# Altium PCB FMC_LOOPBACK_REVA.PcbDoc (continued)
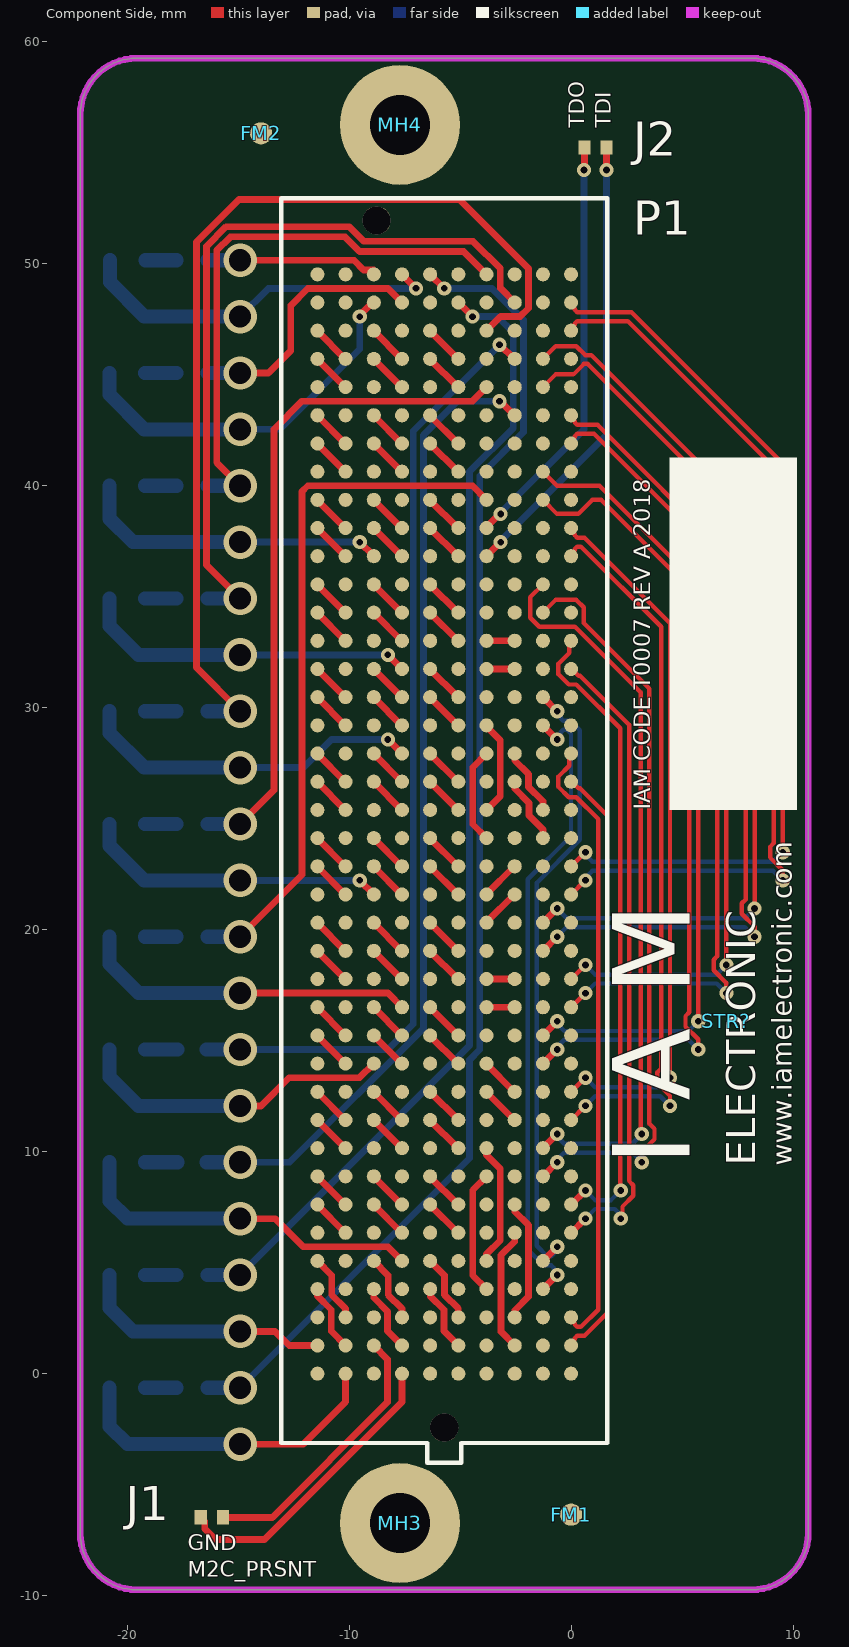
[diagram p0: Component Side view]
## Nets (pads, with @x,y where several pads share a name; then routed paths per layer and width w, separated by ;. In a path a pad name is that pad's centre, name@x,y a point inside that pad or via, vN(x,y) a via of type N, cw(c..) or ccw(c..) an arc to the next point about the centre after c; other vN are vias at no path point) (continued)
DP5_P: P1.A18 P1.A38 | length 41.3
  Component Side w0.2: P1.A18 0.005,21.59 0.64,22.225 v1(0.645,22.225) ; P1.A38 0,47.108 0.155,47.263 0.155,47.308 0.273,47.425 2.555,47.425 9.135,40.845 9.135,23.905 8.963,23.732 8.963,23.258 9.535,22.686 v1(9.535,22.225)
  Bottom Layer w0.2: v1(0.645,22.225) 0.645,22.343 0.963,22.66 9.1,22.66 v1(9.535,22.225)
DP6_N: P1.B17 P1.B37 | length 40.7
  Component Side w0.2: P1.B17 P1.B17@-1.265,20.32 ; P1.B37 -0.7,46.29 0.236,46.29 0.633,45.893 0.91,45.893 8.265,38.538 v1(8.265,20.955) ; v1@-0.63,20.955 v1(-0.625,20.955)
  Component Side w0.305: P1.B17@-1.265,20.32 v1@-0.63,20.955
  Bottom Layer w0.2: v1(-0.625,20.955) -0.19,20.52 7.83,20.52 v1(8.265,20.955)
DP6_P: P1.B16 P1.B36 | length 41.7
  Component Side w0.2: P1.B16 P1.B16@-1.265,19.05 ; P1.B36 -0.7,45.02 0.106,45.02 0.579,45.493 0.745,45.493 7.865,38.373 7.865,21.365 7.693,21.192 7.693,20.718 8.265,20.146 v1(8.265,19.685) ; v1@-0.63,19.685 v1(-0.625,19.685)
  Component Side w0.305: P1.B16@-1.265,19.05 v1@-0.63,19.685
  Bottom Layer w0.2: v1(-0.625,19.685) -0.19,20.12 7.83,20.12 v1(8.265,19.685)
DP7_N: P1.B13 P1.B33 | length 36.5
  Component Side w0.2: P1.B13 P1.B13@-1.265,15.24 ; P1.B33 -0.635,40.005 1.28,40.005 5.725,35.56 v1(5.725,15.875) ; v1@-0.63,15.875 v1(-0.625,15.875)
  Component Side w0.305: P1.B13@-1.265,15.24 v1@-0.63,15.875
  Bottom Layer w0.2: v1(-0.625,15.875) -0.625,15.758 -0.307,15.44 5.29,15.44 v1(5.725,15.875)
DP7_P: P1.B12 P1.B32 | length 37.6
  Component Side w0.2: P1.B12 P1.B12@-1.265,13.97 ; P1.B32 -0.635,38.735 0.328,38.735 0.963,39.37 1.349,39.37 5.325,35.394 5.325,16.285 5.153,16.112 5.153,15.638 5.725,15.066 v1(5.725,14.605) ; v1@-0.63,14.605 v1(-0.625,14.605)
  Component Side w0.305: P1.B12@-1.265,13.97 v1@-0.63,14.605
  Bottom Layer w0.2: v1(-0.625,14.605) -0.625,14.723 -0.307,15.04 5.29,15.04 v1(5.725,14.605)
DP8_N: P1.B9 P1.B29 | length 33.2
  Component Side w0.2: P1.B9 P1.B9@-1.265,10.16 ; P1.B29 -1.84,34.99 -1.84,34.054 -1.441,33.655 0.171,33.655 3.13,30.696 v1@3.13,10.795 ; v1@-0.63,10.795 v1(-0.625,10.795)
  Component Side w0.305: P1.B9@-1.265,10.16 v1@-0.63,10.795
  Bottom Layer w0.2: v1(-0.625,10.795) -0.625,10.678 -0.307,10.36 2.75,10.36 v1(3.185,10.795)
DP8_P: P1.B8 P1.B28 | length 33.9
  Component Side w0.2: P1.B8 P1.B8@-1.265,8.89 ; P1.B28 -0.7,34.86 0.236,34.86 0.57,34.526 0.57,33.822 3.53,30.861 3.53,11.259 3.757,11.032 3.757,10.558 3.185,9.986 v1(3.185,9.525) ; v1@-0.63,9.525 v1(-0.625,9.525)
  Component Side w0.305: P1.B8@-1.265,8.89 v1@-0.63,9.525
  Bottom Layer w0.2: v1(-0.625,9.525) -0.625,9.643 -0.307,9.96 2.75,9.96 v1(3.185,9.525)
DP9_N: P1.B5 P1.B25 | length 28.7
  Component Side w0.2: P1.B5 P1.B5@-1.265,5.08 ; P1.B25 P1.B25@-1.265,30.48 ; v1@-0.63,5.715 v1(-0.625,5.715) ; v1@-0.63,29.845 v1(-0.625,29.845)
  Component Side w0.305: P1.B5@-1.265,5.08 v1@-0.63,5.715 ; P1.B25@-1.265,30.48 v1@-0.63,29.845
  Bottom Layer w0.2: v1(-0.625,5.715) -0.625,5.596 -0.784,5.437 -0.784,5.397 -0.901,5.28 -1.067,5.28 -1.55,5.763 -1.55,22.11 0.395,24.055 0.395,28.998 -0.018,29.41 -0.349,29.41 -0.466,29.527 -0.466,29.567 -0.625,29.726 v1(-0.625,29.845)
DP9_P: P1.B4 P1.B24 | length 28.7
  Component Side w0.2: P1.B4 P1.B4@-1.265,3.81 ; P1.B24 P1.B24@-1.265,29.21 ; v1@-0.63,4.445 v1(-0.625,4.445) ; v1@-0.63,28.575 v1(-0.625,28.575)
  Component Side w0.305: P1.B4@-1.265,3.81 v1@-0.63,4.445 ; P1.B24@-1.265,29.21 v1@-0.63,28.575
  Bottom Layer w0.2: v1(-0.625,4.445) -0.625,4.564 -0.784,4.723 -0.784,4.763 -0.901,4.88 -1.232,4.88 -1.95,5.597 -1.95,22.275 -0.005,24.22 -0.005,28.832 -0.183,29.01 -0.349,29.01 -0.466,28.893 -0.466,28.853 -0.625,28.694 v1(-0.625,28.575)
GND_1: LED1.1 P1.G40 | length 16.9
  Component Side w0.305: P1.G40 v1(-6.985,48.895)
  Bottom Layer w0.305: v2(-14.912,47.625) -13.642,48.895 v1(-6.985,48.895)
  Bottom Layer w0.635: LED1.1 -20.783,49.177 -19.23,47.625 v2(-14.912,47.625)
GND_2: LED2.1 P1.H39 | length 16.8
  Component Side w0.305: v1(-9.525,47.625) -9.525,47.679 -8.944,48.26 P1.H39
  Bottom Layer w0.305: v2(-14.912,42.545) -13.134,42.545 -9.525,46.155 v1(-9.525,47.625)
  Bottom Layer w0.635: LED2.1 -20.792,44.107 -19.23,42.545 v2(-14.912,42.545)
GND_3: LED3.1 P1.H30 | length 14.1
  Component Side w0.305: v1(-9.525,37.465) P1.H30
  Bottom Layer w0.305: v2(-14.912,37.465) v1(-9.525,37.465)
  Bottom Layer w0.635: LED3.1 -20.792,38.519 -19.738,37.465 v2(-14.912,37.465)
GND_4: LED4.1 P1.G26 | length 15.2
  Component Side w0.305: v1(-8.255,32.385) P1.G26
  Bottom Layer w0.305: v2(-14.912,32.385) v1(-8.255,32.385)
  Bottom Layer w0.635: LED4.1 -20.792,33.693 -19.484,32.385 v2(-14.912,32.385)
GND_5: LED5.1 P1.G23 | length 15.6
  Component Side w0.305: v1(-8.255,28.575) P1.G23
  Bottom Layer w0.305: v2(-14.912,27.305) -12.065,27.305 -10.795,28.575 v1(-8.255,28.575)
  Bottom Layer w0.635: LED5.1 -20.792,28.867 -19.23,27.305 v2(-14.912,27.305)
GND_6: LED6.1 P1.H18 | length 13.8
  Component Side w0.305: v1(-9.525,22.225) P1.H18
  Bottom Layer w0.305: v2(-14.912,22.225) v1(-9.525,22.225)
  Bottom Layer w0.635: LED6.1 -20.792,23.787 -19.23,22.225 v2(-14.912,22.225)
GND_7: LED7.1 P1.G14 | length 15.2
  Component Side w0.305: v2(-14.912,17.145) -8.255,17.145 P1.G14
  Bottom Layer w0.635: LED7.1 -20.792,18.453 -19.484,17.145 v2(-14.912,17.145)
GND_8: LED8.1 P1.H12 | length 14.5
  Component Side w0.305: v2(-14.912,12.065) -13.97,12.065 -12.7,13.335 -9.525,13.335 P1.H12
  Bottom Layer w0.635: LED8.1 -20.792,13.373 -19.484,12.065 v2(-14.912,12.065)
GND_9: LED9.1 P1.G5 | length 16
  Component Side w0.305: v2(-14.912,6.985) -13.335,6.985 -12.065,5.715 -8.255,5.715 P1.G5
  Bottom Layer w0.635: LED9.1 -20.792,7.785 -19.992,6.985 v2(-14.912,6.985)
GND_10: LED10.1 P1.K2 | length 11.5
  Component Side w0.305: v2(-14.912,1.905) -13.335,1.905 -12.7,1.27 P1.K2
  Bottom Layer w0.635: LED10.1 -20.792,2.959 -19.738,1.905 v2(-14.912,1.905)
GND_11: LED11.1 P1.J1 | length 14.8
  Component Side w0.305: v2(-14.912,-3.175) -12.065,-3.175 -10.16,-1.27 P1.J1
  Bottom Layer w0.635: LED11.1 -20.792,-2.375 -19.992,-3.175 v2(-14.912,-3.175)
LA18_N_CC: P1.B21 P1.C23 | length 3.1
  Component Side w0.305: P1.C23 -2.54,27.633 -1.918,27.01 -1.918,26.438 -1.27,25.79 P1.B21
LA18_P_CC: P1.B20 P1.C22 | length 3.1
  Component Side w0.305: P1.C22 -2.54,26.363 -1.892,25.715 -1.892,25.142 -1.27,24.52 P1.B20
NetJ1_1: J1.1 P1.G1 | length 13.5
  Component Side w0.305: J1.1 -16.51,-6.649 -16.51,-6.985 -16.024,-7.471 -13.809,-7.471 -7.62,-1.282 P1.G1
NetJ1_2: J1.2 P1.H2 | length 12.4
  Component Side w0.305: J1.2 -13.462,-6.477 -8.268,-1.283 -8.268,0.648 P1.H2
NetLED1_2: LED1.2 R1.1 | length 1.4
  Bottom Layer w0.635: LED1.2 R1.1
NetLED2_2: LED2.2 R2.1 | length 1.4
  Bottom Layer w0.635: LED2.2 R2.1
NetLED3_2: LED3.2 R3.1 | length 1.4
  Bottom Layer w0.635: LED3.2 R3.1
NetLED4_2: LED4.2 R4.1 | length 1.4
  Bottom Layer w0.635: LED4.2 R4.1
NetLED5_2: LED5.2 R5.1 | length 1.4
  Bottom Layer w0.635: LED5.2 R5.1
NetLED6_2: LED6.2 R6.1 | length 1.4
  Bottom Layer w0.635: LED6.2 R6.1
NetLED7_2: LED7.2 R7.1 | length 1.4
  Bottom Layer w0.635: LED7.2 R7.1
NetLED8_2: LED8.2 R8.1 | length 1.5
  Bottom Layer w0.635: LED8.2 R8.1
NetLED9_2: LED9.2 R9.1 | length 1.5
  Bottom Layer w0.635: LED9.2 R9.1
NetLED10_2: LED10.2 R10.1 | length 1.4
  Bottom Layer w0.635: LED10.2 R10.1
NetLED11_2: LED11.2 R11.1 | length 1.4
  Bottom Layer w0.635: LED11.2 R11.1
NetP1_C10: P1.C10 P1.D11 | length 1.8
  Component Side w0.152: P1.D11@-3.81,12.678 P1.D11 ; P1.C10@-2.562,11.43 P1.C10
  Component Side w0.305: P1.D11@-3.81,12.678 P1.C10@-2.562,11.43
NetP1_C11: P1.C11 P1.D12 | length 1.8
  Component Side w0.152: P1.D12@-3.81,13.948 P1.D12 ; P1.C11@-2.562,12.7 P1.C11
  Component Side w0.305: P1.D12@-3.81,13.948 P1.C11@-2.562,12.7
NetP1_C14: P1.C14 P1.D14 | length 1.3
  Component Side w0.305: P1.D14 P1.C14
NetP1_C15: P1.C15 P1.D15 | length 1.3
  Component Side w0.305: P1.D15 P1.C15
NetP1_C18: P1.C18 P1.D17 | length 1.8
  Component Side w0.152: P1.D17 P1.D17@-3.81,20.342 ; P1.C18@-2.562,21.59 P1.C18
  Component Side w0.305: P1.D17@-3.81,20.342 P1.C18@-2.562,21.59
NetP1_C19: P1.C19 P1.D18 | length 1.8
  Component Side w0.152: P1.D18 P1.D18@-3.81,21.612 ; P1.C19@-2.562,22.86 P1.C19
  Component Side w0.305: P1.D18@-3.81,21.612 P1.C19@-2.562,22.86
NetP1_C26: P1.C26 P1.D26 | length 1.3
  Component Side w0.305: P1.D26 P1.C26
NetP1_C27: P1.C27 P1.D27 | length 1.3
  Component Side w0.305: P1.D27 P1.C27
NetP1_D4: P1.D4 P1.D8 | length 5.6
  Component Side w0.305: P1.D4 -4.432,4.432 -4.432,8.268 P1.D8
NetP1_D5: P1.D5 P1.D9 | length 5.6
  Component Side w0.305: P1.D5 -3.81,5.388 -3.188,6.01 -3.188,9.23 -3.81,9.853 P1.D9
NetP1_D20: P1.D20 P1.D23 | length 4.3
  Component Side w0.305: P1.D20 -4.432,24.752 -4.432,27.318 P1.D23
NetP1_D21: P1.D21 P1.D24 | length 4.3
  Component Side w0.305: P1.D21 -3.188,26.022 -3.188,28.534 -3.81,29.157 P1.D24
NetP1_E2: P1.E2 P1.F4 | length 3.1
  Component Side w0.305: P1.F4 -6.35,3.503 -5.728,2.88 -5.728,1.918 P1.E2
NetP1_E3: P1.E3 P1.F5 | length 3.1
  Component Side w0.305: P1.F5 -5.702,4.432 -5.702,3.552 -5.08,2.93 P1.E3
NetP1_E6: P1.E6 P1.F7 | length 1.8
  Component Side w0.152: P1.E6@-5.102,6.35 P1.E6
  Component Side w0.305: P1.F7 -6.35,7.598 P1.E6@-5.102,6.35
NetP1_E7: P1.E7 P1.F8 | length 1.8
  Component Side w0.152: P1.E7@-5.102,7.62 P1.E7
  Component Side w0.305: P1.F8 -6.35,8.868 P1.E7@-5.102,7.62
NetP1_E9: P1.E9 P1.F10 | length 1.8
  Component Side w0.152: P1.E9@-5.102,10.16 P1.E9
  Component Side w0.305: P1.F10 -6.35,11.408 P1.E9@-5.102,10.16
NetP1_E10: P1.E10 P1.F11 | length 1.8
  Component Side w0.305: P1.F11 P1.E10
NetP1_E12: P1.E12 P1.F13 | length 1.8
  Component Side w0.152: P1.E12@-5.102,13.97 P1.E12
  Component Side w0.305: P1.F13 -6.35,15.218 P1.E12@-5.102,13.97
NetP1_E13: P1.E13 P1.F14 | length 1.8
  Component Side w0.152: P1.E13@-5.102,15.24 P1.E13
  Component Side w0.305: P1.F14 -6.35,16.488 P1.E13@-5.102,15.24
NetP1_E15: P1.E15 P1.F16 | length 1.8
  Component Side w0.152: P1.E15@-5.102,17.78 P1.E15
  Component Side w0.305: P1.F16 -6.35,19.028 P1.E15@-5.102,17.78
NetP1_E16: P1.E16 P1.F17 | length 1.8
  Component Side w0.152: P1.E16@-5.102,19.05 P1.E16
  Component Side w0.305: P1.F17 -6.35,20.298 P1.E16@-5.102,19.05
NetP1_E18: P1.E18 P1.F19 | length 1.8
  Component Side w0.152: P1.E18@-5.102,21.59 P1.E18
  Component Side w0.305: P1.F19 -6.35,22.838 P1.E18@-5.102,21.59
NetP1_E19: P1.E19 P1.F20 | length 1.8
  Component Side w0.152: P1.E19@-5.102,22.86 P1.E19
  Component Side w0.305: P1.F20 -6.35,24.108 P1.E19@-5.102,22.86
NetP1_E21: P1.E21 P1.F22 | length 1.8
  Component Side w0.152: P1.E21@-5.102,25.4 P1.E21
  Component Side w0.305: P1.F22 -6.35,26.648 P1.E21@-5.102,25.4
NetP1_E22: P1.E22 P1.F23 | length 1.8
  Component Side w0.152: P1.E22@-5.102,26.67 P1.E22
  Component Side w0.305: P1.F23 -6.35,27.918 P1.E22@-5.102,26.67
NetP1_E24: P1.E24 P1.F25 | length 1.8
  Component Side w0.152: P1.E24@-5.102,29.21 P1.E24
  Component Side w0.305: P1.F25 -6.35,30.458 P1.E24@-5.102,29.21
NetP1_E25: P1.E25 P1.F26 | length 1.8
  Component Side w0.152: P1.E25@-5.102,30.48 P1.E25
  Component Side w0.305: P1.F26 -6.35,31.728 P1.E25@-5.102,30.48
NetP1_E27: P1.E27 P1.F28 | length 1.8
  Component Side w0.152: P1.E27@-5.102,33.02 P1.E27
  Component Side w0.305: P1.F28 -6.35,34.268 P1.E27@-5.102,33.02
NetP1_E28: P1.E28 P1.F29 | length 1.8
  Component Side w0.152: P1.E28@-5.102,34.29 P1.E28
  Component Side w0.305: P1.F29 -6.35,35.538 P1.E28@-5.102,34.29
NetP1_E30: P1.E30 P1.F31 | length 1.8
  Component Side w0.152: P1.E30@-5.102,36.83 P1.E30
  Component Side w0.305: P1.F31 -6.35,38.078 P1.E30@-5.102,36.83
NetP1_E31: P1.E31 P1.F32 | length 1.8
  Component Side w0.152: P1.E31@-5.102,38.1 P1.E31
  Component Side w0.305: P1.F32 -6.35,39.348 P1.E31@-5.102,38.1
NetP1_E33: P1.E33 P1.F34 | length 1.8
  Component Side w0.152: P1.E33@-5.102,40.64 P1.E33
  Component Side w0.305: P1.F34 -6.35,41.888 P1.E33@-5.102,40.64
NetP1_E34: P1.E34 P1.F35 | length 1.8
  Component Side w0.152: P1.E34@-5.102,41.91 P1.E34
  Component Side w0.305: P1.F35 -6.35,43.158 P1.E34@-5.102,41.91
NetP1_E36: P1.E36 P1.F37 | length 1.8
  Component Side w0.152: P1.E36@-5.102,44.45 P1.E36
  Component Side w0.305: P1.F37 -6.35,45.698 P1.E36@-5.102,44.45
NetP1_E37: P1.E37 P1.F38 | length 1.8
  Component Side w0.152: P1.E37@-5.102,45.72 P1.E37
  Component Side w0.305: P1.F38 -6.35,46.968 P1.E37@-5.102,45.72
NetP1_G2: P1.G2 P1.H4 | length 3.1
  Component Side w0.305: P1.H4 -8.89,3.42 -8.268,2.798 -8.268,1.918 P1.G2
NetP1_G3: P1.G3 P1.H5 | length 3.1
  Component Side w0.305: P1.H5 -8.242,4.432 -8.242,3.552 -7.62,2.93 P1.G3
NetP1_G6: P1.G6 P1.H7 | length 1.8
  Component Side w0.152: P1.G6@-7.642,6.35 P1.G6
  Component Side w0.305: P1.H7 -8.89,7.598 P1.G6@-7.642,6.35
NetP1_G7: P1.G7 P1.H8 | length 1.8
  Component Side w0.152: P1.G7@-7.642,7.62 P1.G7
  Component Side w0.305: P1.H8 -8.89,8.868 P1.G7@-7.642,7.62
NetP1_G9: P1.G9 P1.H10 | length 1.8
  Component Side w0.152: P1.G9@-7.642,10.16 P1.G9
  Component Side w0.305: P1.H10 -8.89,11.408 P1.G9@-7.642,10.16
NetP1_G10: P1.G10 P1.H11 | length 1.8
  Component Side w0.152: P1.G10@-7.642,11.43 P1.G10
  Component Side w0.305: P1.H11 -8.89,12.678 P1.G10@-7.642,11.43
NetP1_G12: P1.G12 P1.H13 | length 1.8
  Component Side w0.152: P1.G12@-7.642,13.97 P1.G12
  Component Side w0.305: P1.H13 -8.89,15.218 P1.G12@-7.642,13.97
NetP1_G13: P1.G13 P1.H14 | length 1.8
  Component Side w0.152: P1.G13@-7.642,15.24 P1.G13
  Component Side w0.305: P1.H14 -8.89,16.488 P1.G13@-7.642,15.24
NetP1_G15: P1.G15 P1.H16 | length 1.8
  Component Side w0.152: P1.G15@-7.642,17.78 P1.G15
  Component Side w0.305: P1.H16 -8.89,19.028 P1.G15@-7.642,17.78
NetP1_G16: P1.G16 P1.H17 | length 1.8
  Component Side w0.152: P1.G16@-7.642,19.05 P1.G16
  Component Side w0.305: P1.H17 -8.89,20.298 P1.G16@-7.642,19.05
NetP1_G18: P1.G18 P1.H19 | length 1.8
  Component Side w0.152: P1.G18@-7.642,21.59 P1.G18
  Component Side w0.305: P1.H19 -8.89,22.838 P1.G18@-7.642,21.59
NetP1_G19: P1.G19 P1.H20 | length 1.8
  Component Side w0.152: P1.G19@-7.642,22.86 P1.G19
  Component Side w0.305: P1.H20 -8.89,24.108 P1.G19@-7.642,22.86
NetP1_G21: P1.G21 P1.H22 | length 1.8
  Component Side w0.152: P1.G21@-7.642,25.4 P1.G21
  Component Side w0.305: P1.H22 -8.89,26.648 P1.G21@-7.642,25.4
NetP1_G22: P1.G22 P1.H23 | length 1.8
  Component Side w0.152: P1.G22@-7.642,26.67 P1.G22
  Component Side w0.305: P1.H23 -8.89,27.918 P1.G22@-7.642,26.67
NetP1_G24: P1.G24 P1.H25 | length 1.8
  Component Side w0.152: P1.G24@-7.642,29.21 P1.G24
  Component Side w0.305: P1.H25 -8.89,30.458 P1.G24@-7.642,29.21
NetP1_G25: P1.G25 P1.H26 | length 1.8
  Component Side w0.152: P1.G25@-7.642,30.48 P1.G25
  Component Side w0.305: P1.H26 -8.89,31.728 P1.G25@-7.642,30.48
NetP1_G27: P1.G27 P1.H28 | length 1.8
  Component Side w0.152: P1.G27@-7.642,33.02 P1.G27
  Component Side w0.305: P1.H28 -8.89,34.268 P1.G27@-7.642,33.02
NetP1_G28: P1.G28 P1.H29 | length 1.8
  Component Side w0.152: P1.G28@-7.642,34.29 P1.G28
  Component Side w0.305: P1.H29 -8.89,35.538 P1.G28@-7.642,34.29
NetP1_G30: P1.G30 P1.H31 | length 1.8
  Component Side w0.152: P1.G30@-7.642,36.83 P1.G30
  Component Side w0.305: P1.H31 -8.89,38.078 P1.G30@-7.642,36.83
NetP1_G31: P1.G31 P1.H32 | length 1.8
  Component Side w0.152: P1.G31@-7.642,38.1 P1.G31
  Component Side w0.305: P1.H32 -8.89,39.348 P1.G31@-7.642,38.1
NetP1_G33: P1.G33 P1.H34 | length 1.8
  Component Side w0.152: P1.G33@-7.642,40.64 P1.G33
  Component Side w0.305: P1.H34 -8.89,41.888 P1.G33@-7.642,40.64
NetP1_G34: P1.G34 P1.H35 | length 1.8
  Component Side w0.152: P1.G34@-7.642,41.91 P1.G34
  Component Side w0.305: P1.H35 -8.89,43.158 P1.G34@-7.642,41.91
NetP1_G36: P1.G36 P1.H37 | length 1.8
  Component Side w0.152: P1.G36@-7.642,44.45 P1.G36
  Component Side w0.305: P1.H37 -8.89,45.698 P1.G36@-7.642,44.45
NetP1_G37: P1.G37 P1.H38 | length 1.8
  Component Side w0.152: P1.G37@-7.642,45.72 P1.G37
  Component Side w0.305: P1.H38 -8.89,46.968 P1.G37@-7.642,45.72
NetP1_J2: P1.J2 P1.K4 | length 3.1
  Component Side w0.305: P1.K4 -11.43,3.503 -10.808,2.88 -10.808,1.918 P1.J2
NetP1_J3: P1.J3 P1.K5 | length 3.1
  Component Side w0.305: P1.K5 -10.782,4.432 -10.782,3.552 -10.16,2.93 P1.J3
NetP1_J6: P1.J6 P1.K7 | length 1.8
  Component Side w0.152: P1.J6@-10.182,6.35 P1.J6
  Component Side w0.305: P1.K7 -11.43,7.598 P1.J6@-10.182,6.35
NetP1_J7: P1.J7 P1.K8 | length 1.8
  Component Side w0.152: P1.J7@-10.182,7.62 P1.J7
  Component Side w0.305: P1.K8 -11.43,8.868 P1.J7@-10.182,7.62
NetP1_J9: P1.J9 P1.K10 | length 1.8
  Component Side w0.152: P1.J9@-10.182,10.16 P1.J9
  Component Side w0.305: P1.K10 -11.43,11.408 P1.J9@-10.182,10.16
NetP1_J10: P1.J10 P1.K11 | length 1.8
  Component Side w0.152: P1.J10@-10.182,11.43 P1.J10
  Component Side w0.305: P1.K11 -11.43,12.678 P1.J10@-10.182,11.43
NetP1_J12: P1.J12 P1.K13 | length 1.8
  Component Side w0.152: P1.J12@-10.182,13.97 P1.J12
  Component Side w0.305: P1.K13 -11.43,15.218 P1.J12@-10.182,13.97
NetP1_J13: P1.J13 P1.K14 | length 1.8
  Component Side w0.152: P1.J13@-10.182,15.24 P1.J13
  Component Side w0.305: P1.K14 -11.43,16.488 P1.J13@-10.182,15.24
NetP1_J15: P1.J15 P1.K16 | length 1.8
  Component Side w0.152: P1.J15@-10.182,17.78 P1.J15
  Component Side w0.305: P1.K16 -11.43,19.028 P1.J15@-10.182,17.78
NetP1_J16: P1.J16 P1.K17 | length 1.8
  Component Side w0.152: P1.J16@-10.182,19.05 P1.J16
  Component Side w0.305: P1.K17 -11.43,20.298 P1.J16@-10.182,19.05
NetP1_J18: P1.J18 P1.K19 | length 1.8
  Component Side w0.152: P1.J18@-10.182,21.59 P1.J18
  Component Side w0.305: P1.K19 -11.43,22.838 P1.J18@-10.182,21.59
NetP1_J19: P1.J19 P1.K20 | length 1.8
  Component Side w0.152: P1.J19@-10.182,22.86 P1.J19
  Component Side w0.305: P1.K20 -11.43,24.108 P1.J19@-10.182,22.86
NetP1_J21: P1.J21 P1.K22 | length 1.8
  Component Side w0.152: P1.J21@-10.182,25.4 P1.J21
  Component Side w0.305: P1.K22 -11.43,26.648 P1.J21@-10.182,25.4
NetP1_J22: P1.J22 P1.K23 | length 1.8
  Component Side w0.152: P1.J22@-10.182,26.67 P1.J22
  Component Side w0.305: P1.K23 -11.43,27.918 P1.J22@-10.182,26.67
NetP1_J24: P1.J24 P1.K25 | length 1.8
  Component Side w0.152: P1.J24@-10.182,29.21 P1.J24
  Component Side w0.305: P1.K25 -11.43,30.458 P1.J24@-10.182,29.21
NetP1_J25: P1.J25 P1.K26 | length 1.8
  Component Side w0.152: P1.J25@-10.182,30.48 P1.J25
  Component Side w0.305: P1.K26 -11.43,31.728 P1.J25@-10.182,30.48
NetP1_J27: P1.J27 P1.K28 | length 1.8
  Component Side w0.152: P1.J27@-10.182,33.02 P1.J27
  Component Side w0.305: P1.K28 -11.43,34.268 P1.J27@-10.182,33.02
NetP1_J28: P1.J28 P1.K29 | length 1.8
  Component Side w0.152: P1.J28@-10.182,34.29 P1.J28
  Component Side w0.305: P1.K29 -11.43,35.538 P1.J28@-10.182,34.29
NetP1_J30: P1.J30 P1.K31 | length 1.8
  Component Side w0.152: P1.J30@-10.182,36.83 P1.J30
  Component Side w0.305: P1.K31 -11.43,38.078 P1.J30@-10.182,36.83
NetP1_J31: P1.J31 P1.K32 | length 1.8
  Component Side w0.152: P1.J31@-10.182,38.1 P1.J31
  Component Side w0.305: P1.K32 -11.43,39.348 P1.J31@-10.182,38.1
NetP1_J33: P1.J33 P1.K34 | length 1.8
  Component Side w0.152: P1.J33@-10.182,40.64 P1.J33
  Component Side w0.305: P1.K34 -11.43,41.888 P1.J33@-10.182,40.64
NetP1_J34: P1.J34 P1.K35 | length 1.8
  Component Side w0.152: P1.J34@-10.182,41.91 P1.J34
  Component Side w0.305: P1.K35 -11.43,43.158 P1.J34@-10.182,41.91
NetP1_J36: P1.J36 P1.K37 | length 1.8
  Component Side w0.152: P1.J36@-10.182,44.45 P1.J36
  Component Side w0.305: P1.K37 -11.43,45.698 P1.J36@-10.182,44.45
NetP1_J37: P1.J37 P1.K38 | length 1.8
  Component Side w0.305: P1.K38 -11.43,46.968 -10.182,45.72 P1.J37
TDI: J2.1 P1.D30 | length 20.7
  Component Side w0.305: P1.D30 v1(-3.175,37.465) ; v1(1.598,54.229) J2.1
  Bottom Layer w0.305: v1(-3.175,37.465) -3.175,37.519 1.598,42.291 v1(1.598,54.229)
TDO: J2.2 P1.D31 | length 19
  Component Side w0.305: P1.D31 -3.81,38.154 -3.229,38.735 v1(-3.175,38.735) ; v1(0.582,54.229) 0.598,54.245 J2.2
  Bottom Layer w0.305: v1(-3.175,38.735) -3.175,38.789 0.582,42.545 v1(0.582,54.229)
VADJ_1: P1.H40 R1.2 | length 7.9
  Component Side w0.305: v2(-14.912,50.165) -9.779,50.165 -9.345,49.731 -8.89,49.731 P1.H40
  Bottom Layer w0.635: R1.2 v2(-14.912,50.165)
VADJ_2: P1.G39 R2.2 | length 11.8
  Component Side w0.305: v2(-14.912,45.085) -13.642,45.085 -12.626,46.101 -12.626,48.133 -11.864,48.895 -8.255,48.895 P1.G39
  Bottom Layer w0.635: R2.2 v2(-14.912,45.085)
VADJ_3: P1.F40 R11.2 | length 59.9
  Component Side w0.305: P1.F40 v1(-5.715,48.895)
  Bottom Layer w0.305: v2(-14.912,-0.635) -4.572,9.706 -4.572,14.139 -4.115,14.596 -4.115,40.451 -2.146,42.419 -2.146,47.48 -3.561,48.895 v1(-5.715,48.895)
  Bottom Layer w0.635: R11.2 v2(-14.912,-0.635)
VADJ_4: P1.E39 R10.2 | length 52.1
  Component Side w0.305: P1.E39 v1(-4.445,47.625)
  Bottom Layer w0.305: v2(-14.912,4.445) -4.572,14.786 -4.572,40.64 -2.604,42.608 -2.604,46.901 -3.328,47.625 v1(-4.445,47.625)
  Bottom Layer w0.635: R10.2 v2(-14.912,4.445)
pads on no net: FM1.FD0 FM2.FD0 FM3.FD0 FM4.FD0 MH3.0 MH4.0 P1.A1 P1.A4 P1.A5 P1.A8 P1.A9 P1.A12 P1.A13 P1.A16 P1.A17 P1.A20 P1.A21 P1.A24 P1.A25 P1.A28 P1.A29 P1.A32 P1.A33 P1.A36 P1.A37 P1.A40 P1.B1 P1.B2 P1.B3 P1.B6 P1.B7 P1.B10 P1.B11 P1.B14 P1.B15 P1.B18 P1.B19 P1.B22 P1.B23 P1.B26 P1.B27 P1.B30 P1.B31 P1.B34 P1.B35 P1.B38 P1.B39 P1.B40 P1.C1 P1.C4 P1.C5 P1.C8 P1.C9 P1.C12 P1.C13 P1.C16 P1.C17 P1.C20 P1.C21 P1.C24 P1.C25 P1.C28 P1.C29 P1.C30 P1.C31 P1.C32 P1.C33 P1.C34 P1.C36 P1.C38 P1.C40 P1.D1 P1.D2 P1.D3 P1.D6 P1.D7 P1.D10 P1.D13 P1.D16 P1.D19 P1.D22 P1.D25 P1.D28 P1.D29 P1.D33 P1.D34 P1.D35 P1.D37 P1.D39 P1.E1 P1.E4 P1.E5 P1.E8 P1.E11 P1.E14 P1.E17 P1.E20 P1.E23 P1.E26 P1.E29 P1.E32 P1.E35 P1.E38 P1.E40 P1.F1 P1.F2 P1.F3 P1.F6 P1.F9 P1.F12 P1.F15 P1.F18 P1.F21 P1.F24 P1.F27 P1.F30 P1.F33 P1.F36 P1.F39 P1.G4 P1.G8 P1.G11 P1.G17 P1.G20 P1.G29 P1.G32 P1.G35 P1.G38 P1.H1 P1.H3 P1.H6 P1.H9 P1.H15 P1.H21 P1.H24 P1.H27 P1.H33 P1.H36 P1.J4 P1.J5 P1.J8 P1.J11 P1.J14 P1.J17 P1.J20 P1.J23 P1.J26 P1.J29 P1.J32 P1.J35 P1.J38 P1.J39 P1.J40 P1.K1 P1.K3 P1.K6 P1.K9 P1.K12 P1.K15 P1.K18 P1.K21 P1.K24 P1.K27 P1.K30 P1.K33 P1.K36 P1.K39 P1.K40 P1.MH1 P1.MH2

## Keep-outs
Keep-Out Layer:
  the board outline again, w0.3

## Silkscreen, mask and mechanical layers (free items; w line width, h text height)
Top Overlay:
  region: 4.445,25.4 10.16,25.4 10.16,41.275 4.445,41.275
  text "TDO / TDI" at 2.032,56.134 h1.2 r90
  text "IAM CODE T0007 REV A 2018" at 3.81,25.4 h1.27 r90
  text "GND / M2C_PRSNT" at -17.272,-9.398 h1.2
Bottom Overlay:
  lines w0.254: -15.547,5.715 -2.593,5.715
  text "VADJ" at -6.657,49.53 h2.54
  text "GND" at -7.927,46.99 h2.54
  text "VADJ" at -6.657,44.45 h2.54
  text "GND" at -7.927,41.91 h2.54
  text "3P3V" at -7.292,39.37 h2.54
  text "GND" at -7.927,36.83 h2.54
  text "3P3V" at -7.292,34.29 h2.54
  text "GND" at -7.927,31.75 h2.54
  text "3P3V" at -7.292,29.21 h2.54
  text "GND" at -7.927,26.67 h2.54
  text "3P3V" at -7.292,24.13 h2.54
  text "GND" at -7.927,21.59 h2.54
  text "3P3VAUX" at -2.847,19.05 h2.54
  text "GND" at -7.927,16.51 h2.54
  text "12P0V" at -6.022,13.97 h2.54
  text "GND" at -7.927,11.43 h2.54
  text "12P0V" at -6.022,8.89 h2.54
  text "GND" at -7.927,6.35 h2.54
  text "LPC PINS" at -0.307,6.35 h1.27
  text "HPC PINS" at -0.307,4.445 h1.27
  text "VADJ" at -6.657,3.81 h2.54
  text "GND" at -7.927,1.27 h2.54
  text "VADJ" at -6.657,-1.27 h2.54
  text "GND" at -7.292,-3.81 h2.54
  text "FMCHUB.COM" at 4.064,-4.064 h6 r270
Top Solder:
  region: -17.198,-6.985 -17.198,-5.969 -15.166,-5.969 -15.166,-6.985
  region: 0.074,54.737 0.074,55.753 2.106,55.753 2.106,54.737
Mechanical 14:
  drawing of 197 lines, arcs and shapes, not listed
  text "All dimensions are in mm." at -25.315,64.84 h1.52
  text "FMC Loopback Module" at 19.085,61.165 h7
  text "FMCHUB.COM" at 19.085,54.565 h7
  text "FMC custom shape / ------------------- / [ ] Low-pin count / [x] High-pin count" at 18.885,42.065 h1.52
  text "Layer" at 20.373,37.868 h1.52
  text "Name" at 30.785,37.868 h1.52
  text "Material" at 54.654,37.868 h1.52
  text "Thickness" at 76.492,37.868 h1.52
  text "Constant" at 92.998,37.868 h1.52
  text "Board Layer Stack" at 107.472,37.868 h1.52
  text "1" at 20.373,34.82 h1.52
  text "Top Overlay" at 30.785,34.82 h1.52
  text "2" at 20.373,31.772 h1.52
  text "Top Solder" at 30.785,31.772 h1.52
  text "Solder Resist" at 54.654,31.772 h1.52
  text "0,010mm" at 76.492,31.772 h1.52
  text "3,5" at 92.998,31.772 h1.52
  text "3" at 20.373,28.724 h1.52
  text "Component Side" at 30.785,28.724 h1.52
  text "Copper" at 54.654,28.724 h1.52
  text "0,036mm" at 76.492,28.724 h1.52
  text "4" at 20.373,25.676 h1.52
  text "Dielectric 1" at 30.785,25.676 h1.52
  text "FR-4" at 54.654,25.676 h1.52
  text "1,500mm" at 76.492,25.676 h1.52
  text "4,2" at 92.998,25.676 h1.52
  text "5" at 20.373,22.628 h1.52
  text "Bottom Layer" at 30.785,22.628 h1.52
  text "Copper" at 54.654,22.628 h1.52
  text "0,036mm" at 76.492,22.628 h1.52
  text "6" at 20.373,19.58 h1.52
  text "Solder Side" at 30.785,19.58 h1.52
  text "Solder Resist" at 54.654,19.58 h1.52
  text "0,010mm" at 76.492,19.58 h1.52
  text "3,5" at 92.998,19.58 h1.52
  text "7" at 20.373,16.532 h1.52
  text "Bottom Overlay" at 30.785,16.532 h1.52
  text "Bottom view from MC-HPC-10 connector's side" at -29.972,6.096 h1.5 r90
Drill Drawing:
  circle w0.254: c21.267,3.927 r0.857
  lines w0.254: 20.41,-4.212 20.839,-4.212 20.839,-4.641 21.695,-4.641 21.695,-4.212 22.124,-4.212 22.124,-3.356 21.695,-3.356 21.695,-2.927 20.839,-2.927 20.839,-3.356 20.41,-3.356 20.41,-4.212 ; 20.41,-0.785 22.124,-0.785 22.124,0.928 20.41,0.928 20.41,-0.785 ; 20.41,8.639 22.124,8.639 21.267,6.925 20.41,8.639 ; 20.753,-4.041 21.01,-4.041 21.01,-4.298 21.524,-4.298 21.524,-4.041 21.781,-4.041 21.781,-3.527 21.524,-3.527 21.524,-3.27 21.01,-3.27 21.01,-3.527 20.753,-3.527 20.753,-4.041
  lines w0.381: 18.874,-5.797 91.1,-5.797 ; 18.874,9.624 91.1,9.624 ; 33.024,-9.653 33.024,13.48 ; 46.893,-9.653 46.893,13.48 ; 76.95,-9.653 76.95,13.48 ; 18.874,-9.653 91.1,-9.653 91.1,13.48 18.874,13.48 18.874,-9.653
  text "Symbol" at 21.188,10.781 h1.85
  text "Count" at 34.18,10.781 h1.85
  text "Hole Size" at 48.05,10.781 h1.85
  text "Plated" at 78.107,10.781 h1.85
  text "46" at 34.18,6.925 h1.54
  text "0,300mm (11,81mil)" at 48.05,6.925 h1.54
  text "PTH" at 78.107,6.925 h1.54
  text "22" at 34.18,3.07 h1.54
  text "1,000mm (39,37mil)" at 48.05,3.07 h1.54
  text "PTH" at 78.107,3.07 h1.54
  text "2" at 34.18,-0.785 h1.54
  text "1,270mm (50,00mil)" at 48.05,-0.785 h1.54
  text "NPTH" at 78.107,-0.785 h1.54
  text "2" at 34.18,-4.641 h1.54
  text "2,700mm (106,30mil)" at 48.05,-4.641 h1.54
  text "PTH" at 78.107,-4.641 h1.54
  text "72 Total" at 34.18,-8.496 h1.54

## Dimensions
-7.715,-6.735 to 10.685,-9.735 on Mechanical 14
-7.715,56.265 to -22.115,59.265 on Mechanical 14
-14.912,-3.175 to -22.115,-9.735 on Mechanical 14
-22.115,59.265 to 10.685,59.265 on Mechanical 14
-22.115,59.265 to -22.115,-9.735 on Mechanical 14
-7.715,-6.735 to -22.115,-9.735 on Mechanical 14
-14.912,-3.175 to -14.912,-0.635 on Mechanical 14
-14.912,-3.175 to -22.115,-9.735 on Mechanical 14

## Text inside footprints (layer, text, board x,y; h text height)
STR1: Bottom Overlay "www.iamelectronic.com" at -2.198,35.188 h2.03 r270; Bottom Overlay "ELECTRONIC" at 0.052,35.188 h3 r270; Bottom Overlay "I A M" at 3.052,35.188 h8 r270
STR?: Top Overlay "www.iamelectronic.com" at 10.235,9.375 h1.52 r90; Top Overlay "ELECTRONIC" at 8.735,9.375 h2.25 r90; Top Overlay "I A M" at 6.485,9.375 h5.97 r90